# Altium PCB Power Distribution Board.PcbDoc (continued)
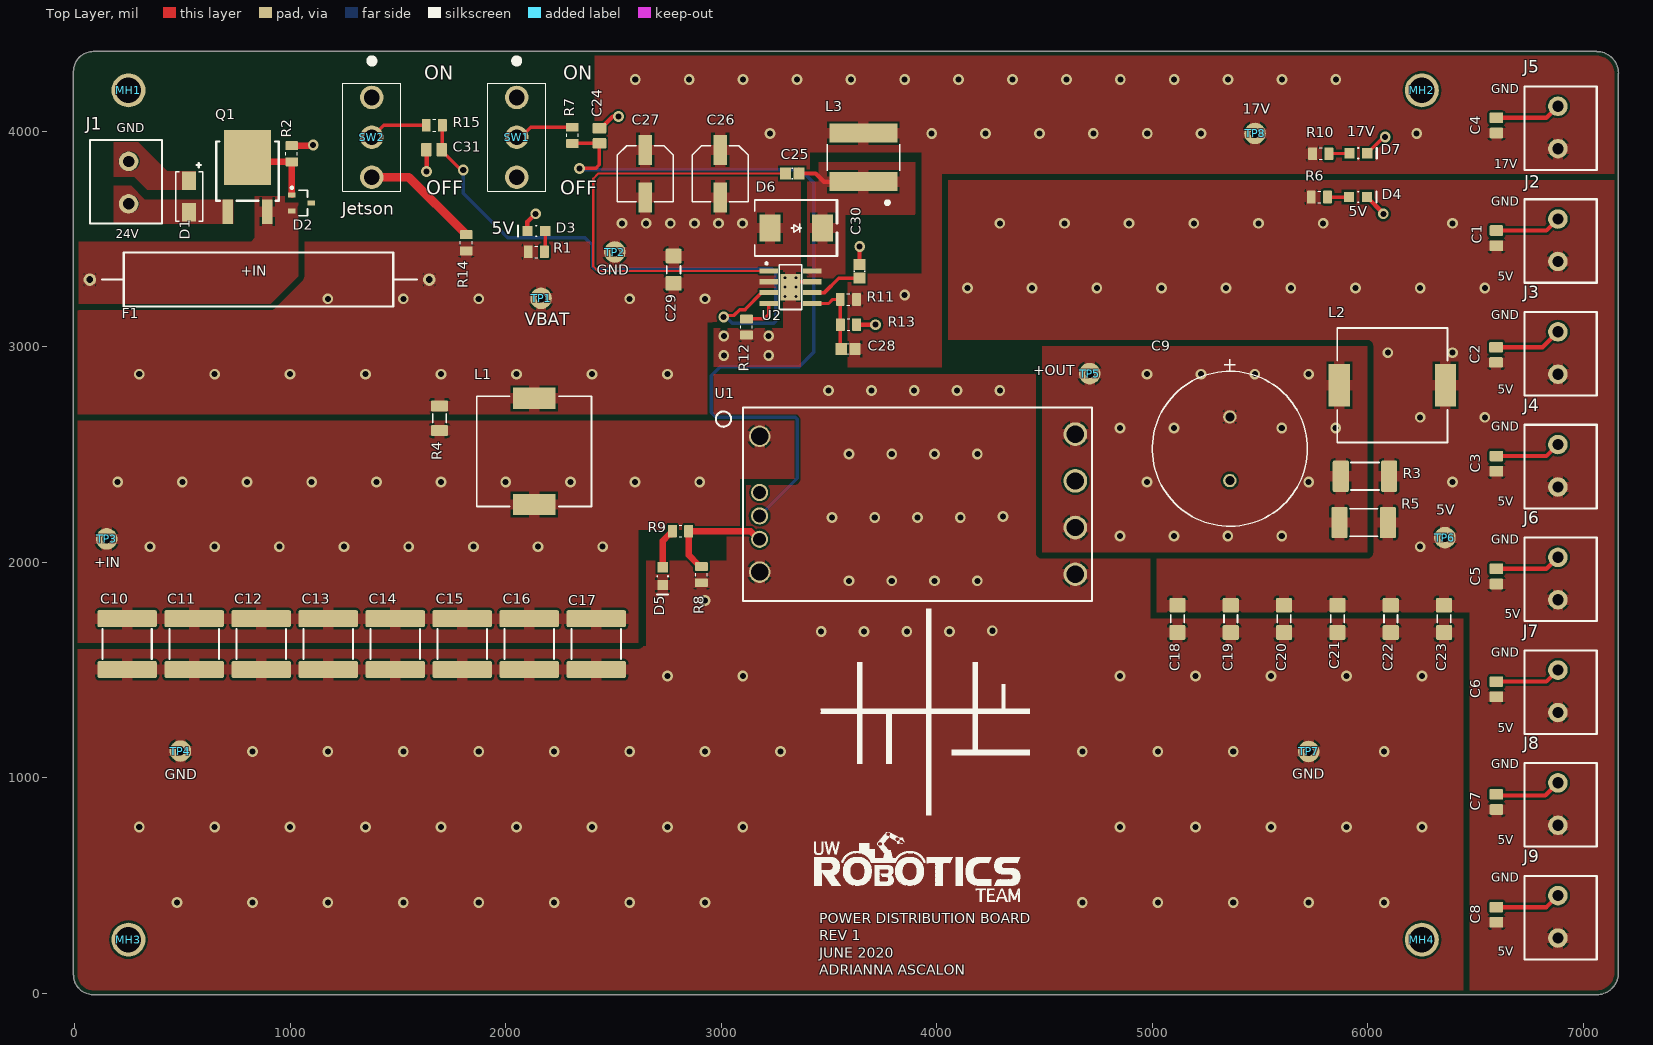
[diagram p0: Top Layer view]
## Footprints (in the part's own frame and the unit in brackets; to place one, negate y for a bottom-side part, rotate by r counter-clockwise, add the part's x,y. Pads: shape width x height; smd on the part's side, far side on the other; paste and mask are expansions set on the pad)
8-PowerSOIC [mm] "Texas Instruments 8-SO PowerPad"
  rrect15% 2.2x0.6 smd: 1(-2.565,1.905) 2(-2.565,0.635) 3(-2.565,-0.635) 4(-2.565,-1.905) 5(2.565,-1.905) 6(2.565,-0.635) 7(2.565,0.635) 8(2.565,1.905)
  rect 2.4x3.1 smd: 9(0,0)
  silkscreen extent -2.95,-2.63 1.32,2.92, body extent -3,-2.45 3,2.45, height 1.75
25SVPF47M [mm] "Aluminum Electrolytic Capacitor, Body 6.60x6.60x6.10mm, IPC Low Density"
  rect 3.5x1.6 smd: 1(-2.8,0) 2(2.8,0)
  silkscreen extent -3.3,-3.3 3.3,3.3, body extent -3.65,-3.3 3.65,3.3, height 5.9
100SP1T1B4M2QE [mm]
  round 2.775 hole 1.85: 1(-4.7,0) 2(0,0) 3(4.7,0)
  silkscreen extent -9.3,-3.43 6.35,3.43, body extent -6.35,-3.43 6.35,3.43, height 29.63
1935161 [mm]
  round 2.3 hole 1.325: 1(-2.5,0) 2(2.5,0)
  silkscreen extent -5.01,-4.57 4.83,3.94, body extent -5.01,-5.06 5.39,3.94, height 11.41
"CAP 0805_2012" [mm] "Chip Capacitor, 2-Leads, Body 2.00x1.20mm, IPC Medium Density"
  rect 1.3x1.4 smd: 1(-0.8,0) 2(0.8,0)
  silkscreen extent -0.05,-0.63 0.05,0.63, body extent -1,-0.64 1,0.64, height 1.26
CAP_UBY_18X25_NC [mil]
  round 62 hole 42 mask+0: 1(0,0) 2(295.28,0)
  silkscreen extent -267,-359 507,360, body extent -207,-354 502,354, height 1044
CAPC1206(3216) [mm] "Chip Capacitor, Body 3.2x1.6mm, Height 0.55mm, IPC Medium Density"
  rrect20% 1.75x1.9 smd: 1(-1.6,0) 2(1.6,0)
  silkscreen extent -0.45,-0.8 0.45,0.8, body extent -1.7,-0.9 1.7,0.9, height 0.88
CAPC2012X140N [mm]
  rrect20% 1.25x1.6 smd: 1(-0.895,0) 2(0.895,0)
  body extent -1.1,-0.7 1.1,0.75, height 1.41
CAPC5750X7R2A [mm]
  rrect20% 2x7 smd: 1(-3,0) 2(3,0)
  silkscreen extent -1.75,-2.9 1.75,2.91, body extent -2.91,-2.7 3.19,12.19, height 5.32
D-PAK [mm] "TO-252AA"
  rect 5.55x6.5 smd: 1(0,3.2)
  rect 1.25x2.85 smd: 2(-2.325,-3.2) 3(2.325,-3.2)
  silkscreen extent -3.68,-1.91 3.68,5.08, body extent -3.27,-4.08 3.27,5.8, height 2.64
DCM3623T50T0680 [mm] "DC to DC Converter"
  round 2.53 hole 2.03: A(-18.6,8) E(-18.6,-8)
  round 2.79 hole 2.03: A'(18.6,8.25) B'(18.6,2.75) C'(18.6,-2.75) D'(18.6,-8.25)
  round 2.02 hole 1.52: B(-18.6,1.38) C(-18.6,-1.38) D(-18.6,-4.13)
  silkscreen extent -23.75,-11.4 20.57,11.4, body extent -19.54,-11.4 19.18,11.4, height 6.41
"DO214AB SMC" [mm] "Molded Diode, 2-Leads, Body 6.85x5.90mm, IPC Medium Density"
  rect 2.45x3.15 smd: 1(-3.1,0) 2(3.1,0)
  silkscreen extent -4.9,-3.3 4.9,3.3, body extent -3.97,-2.95 3.97,2.95, height 2.6
DO-214AC_UNI [mm]
  rect 2.18x1.63 smd: 1(-1.857,0) 2(1.857,0)
  silkscreen extent -3.94,-1.59 2.92,1.59, body extent -2.6,-1.3 2.6,1.3, height 2.38
FUSE [mm] "FUSE HOLDER RADIAL 250V 6.3A PCB"
  round 1.48 / inner round 1.524 / far side round 1.2 hole 0.81: 1(-20,0) 2(20,0)
  silkscreen extent -18.54,-3.17 18.54,3.17, body extent -16,-3.17 15.76,3.17, height 3.96
IND_BOURNS_SRN80 [mil]
  rect 87x315 smd paste+0 mask+0: 1(-112.5,0) 2(112.5,0)
  silkscreen extent -218,-168 62,168, body extent -160,-156 160,156, height 156
LED_0805_LINE [mm] "SMD, 2-Leads, Body 2x1.25mm"
  rect 1.2x1.2 smd: 1(-1.05,0) 2(1.05,0)
  silkscreen extent -0.05,-0.63 2.16,0.64, body extent -1,-0.63 1,0.63, height 0.8
MOUNTING_HOLE [mm]
  round 4 hole 3 unplated: 0(0,0)
RESC1206(3216)_N [mm] "Chip Resistor, Body 3.2x1.6mm, IPC Medium Density"
  rrect20% 1.3x2 smd: 1(-1.45,0) 2(1.45,0)
  silkscreen extent -0.5,-0.8 0.5,0.8, body extent -1.6,-0.8 1.6,0.8, height 0.6
RESC2012X60N [mm]
  rrect20% 1.05x1.5 smd: 1(-0.955,0) 2(0.955,0)
  silkscreen extent -0.17,-0.68 0.17,0.68, body extent -1,-0.62 1,0.62, height 0.6
RESC6432X89X76NL25T25 [mm] "Chip Resistor, 2-Leads, Body 6.6x3.43mm, IPC Medium Density"
  rrect20% 1.9x3.7 smd: 1(-2.85,0) 2(2.85,0)
  silkscreen extent -1.65,-1.63 1.65,1.63, body extent -3.3,-1.72 3.3,1.72, height 0.89
SOT23-3 [mm] "SOT23, 3-Leads, Body 2.90x2.30mm, Pitch 0.95mm, IPC Medium Density"
  rect 0.9x0.6 smd: 1(-1.15,0.95) 2(-1.15,-0.95) 3(1.15,0)
  silkscreen extent -1.27,-1.5 0.7,1.92, body extent -1.3,-1.5 1.3,1.5, height 1.1
TESTPOINT_LOOP [mm]
  round 2.54 hole 1.02: 1(0,0)
  body extent -1.27,-1.27 1.27,1.27, height 4.57
"WE-HCM 1390" [mm] "SMD Inductor, 2-Leads, Body 12,50x13,00mm"
  rect 2.5x5 smd: 1(-6.25,0) 2(6.25,0)
  silkscreen extent -6.5,-6.75 6.5,6.75, body extent -7,-6.5 7,6.5, height 8.95

## Part data
C1 C2 C3 C4 C5 C6 C7 C8 C24 C31: library part CAP_0.1uF_50V_0805, "CAP CER 0.1UF 50V X7R 0805", Case Code (Imperial)=0805, Case Code (Metric)=2012, Dielectric=X7R, Manufacturer 1="Murata Electronics", Manufacturer Part Number 1=GCD21BR71H104KA01L, Max Operating Temperature=125°C, Min Operating Temperature=-55°C, Package="0805 (2012 Metric)", Ratings=AEC-Q200, Supplier Part Number 1=490-11955-1-ND, Tolerance=10%, Voltage Rating=50V, Depth=1.25mm, Height=1.25mm, Length=2mm, Mount="Surface Mount", Supplier 1=Digi-Key, Termination=SMD/SMT, Thickness=0.049inch, Width=0.049inch
C9: "CAP ALUM 10000UF 20% 10V RADIAL", Capacitance=10000uF, Case/Package=Radial, Manufacturer 1=Nichicon, Max Operating Temperature=85°C, Min Operating Temperature=-40°C, Ripple Current=2.35A, Supplier Part Number 1=493-12364-1-ND, Tolerance=20%, Voltage Rating=10V, Height - Seated (Max)=1.043inch, Lead Pitch=0.295inch, Life (Hours)=2000Hour, Manufacturer Part Number 1=URS1A103MHD1TN, Mount="Through Hole", Supplier 1=Digi-Key
C10 C11 C12 C13 C14 C15 C16 C17: library part CAP_4.7uF_100V_2220, "CAP CER 4.7UF 100V X7R 2220", Capacitor Value=4.7µF, Case Code (Imperial)=2220, Case Code (Metric)=5750, Dielectric=X7R, Manufacturer=TDK, Manufacturer Part Number=C5750X7R2A475M230KA, Max Operating Temperature=125°C, Min Operating Temperature=-55°C, Package="2220 (5750 Metric)", Supplier Part Number 1=445-1450-1-ND, Tolerance=20%, Voltage=100V, Category="Ceramic Capacitors", Composition=Ceramic, Depth=5mm, Height=2.3mm, Length=5.7mm, Mount="Surface Mount", Number of Pins=2, REACH SVHC="No SVHC", Supplier 1=Digi-Key, Termination=SMD/SMT, Thickness=0.098inch, Voltage Rating=100V, Voltage Rating (DC)=100V, Weight=0.016932oz, Width=0.197inch
C18 C19: library part CAP_10uF_50V_1206, "CAP CER 10UF 50V X5R 1206", Case Code (Imperial)=1206, Case Code (Metric)=3216, Dielectric=X5R, Manufacturer 1=Murata, Manufacturer Part Number 1=GRT31CR61H106KE01L, Package="1206 (3216 Metric)", Supplier Part Number 1=490-12456-1-ND, Voltage Rating=50V, Dimensions="0.126\" L x 0.063\" W (3.20mm x 1.6mm)", Manufacturer Part Numer 1=GRT31CR61H106KE01L, Mount="Surface Mount", Supplier 1=Digi-Key
C20 C21 C22 C23: library part CAP_4.7µF_50V_1206, "CAP CER 4.7UF 50V X7R 1206", Capacitance=4.7uF, Case Code (Imperial)=1206, Case Code (Metric)=3216, Dielectric=X7R, Manufacturer 1=Murata, Manufacturer Part Number 1=GRM31CR71H475KA12L, Max Operating Temperature=125°C, Min Operating Temperature=-55°C, Package="1206 (3216 Metric)", Supplier Part Number 1=490-6521-1-ND, Tolerance=10%, Voltage=50V, ComponentLink7Description=https://datasheet.ciiva.com/6270/partnumbering-e-01-6270217.pdf?src-supplier=Digi-Key, ComponentLink7URL=https://datasheet.ciiva.com/6270/partnumbering-e-01-6270217.pdf?src-supplier=Digi-Key, ComponentLink8Description=https://datasheet.ciiva.com/6270/partnumbering-e-01-6270218.pdf?src-supplier=Digi-Key, ComponentLink8URL=https://datasheet.ciiva.com/6270/partnumbering-e-01-6270218.pdf?src-supplier=Digi-Key, Depth=1.6mm, Height=1.6mm, Length=3.2mm, Material=Ceramic, Mount="Surface Mount", REACH SVHC="No SVHC", Supplier 1=Digi-Key, Termination=SMD/SMT, Thickness=0.071inch, Voltage Rating=50V, Voltage Rating (DC)=50V, Width=0.063inch
C25: "CAP CER 0.22UF 50V X7R 0805", Capacitance=0.22µF, Case Code (Imperial)=0805, Case Code (Metric)=2012, Dielectric=X7R, Manufacturer 1=Murata, Max Operating Temperature=125°C, Min Operating Temperature=-55°C, Package="0805 (2012 Metric)", Supplier Part Number 1=490-1671-1-ND, Tolerance=20%, Voltage Rating=50V, Case/Package=0805, Depth=1.25mm, Height=1.25mm, Length=2mm, Manufacturer Part Number 1=GRM21BR71H224MA01L, Mount="Surface Mount", Supplier 1=Digi-Key, Termination=SMD/SMT, Thickness=0.053inch, Voltage Rating (DC)=50V, Width=0.049inch
C26 C27: library part 25SVPF47M, "CAP ALUM POLY 47UF 20% 25V SMD", Breakdown Voltage=24.4V, Capacitance=47µF, Case/Package=Radial, Clamping Voltage=35.5V, Current=113A, ESR (Equivalent Series Resistance)=30mR, Leakage Current=235uA, Manufacturer 1=Panasonic, Max Breakdown Voltage=26.9V, Max Forward Surge Current (Ifsm)=40A, Max Operating Temperature=105°C, Max Power Dissipation=400W, Max Reverse Leakage Current=1uA, Max Surge Current=11.3A, Min Operating Temperature=-55°C, Operating Supply Voltage=22V, Ripple Current=2.8A, Supplier Part Number 1=P16513CT-ND, Test Current=1mA, Tolerance=20%, Voltage=25V, Working Voltage=3.5V, Diameter=6.3mm, Direction=Unidirectional, Dissipation Factor=12%, Element Configuration=Single, Height=5.9mm, Height - Seated (Max)=0.236inch, Length=5.9mm, Life (Hours)=5000Hour, Manufacturer Part Number 1=25SVPF47M, Min Breakdown Voltage=24.4V, Mount="Surface Mount", Number of Channels=1, Number of Elements=1, Number of Pins=6, Peak Pulse Current=11.3A, Peak Pulse Power=400W, Polarity=Polar, Power Dissipation=400W, REACH SVHC="No SVHC", Reverse Breakdown Voltage=24.4V, Reverse Standoff Voltage=22V, Ripple Current (AC)=2.8A, Supplier 1=Digi-Key, Termination=SMD/SMT, Voltage Rating=25V, Voltage Rating (DC)=25V, Width=0.11inch
C28: library part CAP_470pF_50V_0805, "CAP CER 470PF 50V X7R 0805", Case Code (Imperial)=0805, Case Code (Metric)=2012, Dielectric=X7R, Manufacturer 1="Kyocera AVX", Manufacturer Part Number 1=08055C471JAT2A, Max Operating Temperature=125°C, Min Operating Temperature=-55°C, Package="0805 (2012 Metric)", Supplier Part Number 1=478-7958-1-ND, Tolerance=5%, Voltage Rating=50V, Capacitance=470pF, ComponentLink7Description=https://datasheet.ciiva.com/14906/cx7r-14906253.pdf?src-supplier=Digi-Key, ComponentLink7URL=https://datasheet.ciiva.com/14906/cx7r-14906253.pdf?src-supplier=Digi-Key, Contact Plating=Tin,Matte, Depth=1.25mm, Dissipation Factor=2.5%, Height=0.94mm, Length=2.01mm, Mount="Surface Mount", Number of Pins=2, REACH SVHC=Unknown, Supplier 1=Digi-Key, Termination=SMD/SMT, Thickness=0.037inch, Voltage Rating (DC)=50V, Width=0.049inch
C29: "CAP CER 4.7UF 50V X7R 1206", Capacitance=4.7µF, Case Code (Imperial)=1206, Case Code (Metric)=3216, Dielectric=X7R, Manufacturer 1=Murata, Max Operating Temperature=125°C, Min Operating Temperature=-55°C, Package="1206 (3216 Metric)", Supplier Part Number 1=490-6521-1-ND, Tolerance=10%, Voltage=50V, Case/Package=1206, ComponentLink7Description=https://datasheet.ciiva.com/6270/partnumbering-e-01-6270218.pdf?src-supplier=Digi-Key, ComponentLink7URL=https://datasheet.ciiva.com/6270/partnumbering-e-01-6270218.pdf?src-supplier=Digi-Key, ComponentLink8Description=https://datasheet.ciiva.com/6270/partnumbering-e-01-6270219.pdf?src-supplier=Digi-Key, ComponentLink8URL=https://datasheet.ciiva.com/6270/partnumbering-e-01-6270219.pdf?src-supplier=Digi-Key, Depth=1.6mm, Height=1.6mm, Length=3.2mm, Manufacturer Part Number 1=GRM31CR71H475KA12L, Material=Ceramic, Mount="Surface Mount", REACH SVHC="No SVHC", Supplier 1=Digi-Key, Termination=SMD/SMT, Thickness=0.071inch, Voltage Rating=50V, Voltage Rating (DC)=50V, Width=0.063inch
C30: library part CAP_8200pF_50V_0805, "CAP CER 8200PF 50V X7R 0805", Capacitance=8.2nF, Case Code (Imperial)=0805, Case Code (Metric)=2012, Dielectric=X7R, Max Operating Temperature=125°C, Min Operating Temperature=-55°C, Package="0805 (2012 Metric)", Ratings=AEC-Q200, Supplier Part Number 1=478-9924-6-ND, Tolerance=10%, Voltage Rating=50V, Depth=1.25mm, Length=0.079inch, Mount="Surface Mount", Number of Pins=2, Supplier 1=Digi-Key, Termination=SMD/SMT, Thickness=0.037inch, Voltage Rating (DC)=50V, Width=0.049inch
D1: "TVS DIODE 22V 35.5VC SMA", Breakdown Voltage=24.4V, Case/Package=SMA, Clamping Voltage=35.5V, Current=113A, Leakage Current=1uA, Manufacturer 1="Vishay Semiconductors", Max Breakdown Voltage=26.9V, Max Forward Surge Current (Ifsm)=40A, Max Operating Temperature=150°C, Max Power Dissipation=400W, Max Surge Current=11.3A, Min Operating Temperature=-55°C, Operating Supply Voltage=22V, Supplier Part Number 1=SMAJ22A-E3/61GICT-ND, Test Current=1mA, Working Voltage=3.5V, Direction=Unidirectional, Element Configuration=Single, Height=0.09inch, Length=0.177inch, Manufacturer Part Number 1=SMAJ22A-E3/61, Max Reverse Leakage Current=1uA, Min Breakdown Voltage=24.4V, Number of Channels=1, Number of Elements=1, Number of Pins=2, Peak Pulse Current=11.3A, Peak Pulse Power=400W, Polarity=Unidirectional, Power Dissipation=400W, REACH SVHC=Unknown, Reverse Breakdown Voltage=24.4V, Reverse Standoff Voltage=22V, Supplier 1=Digi-Key, Termination=SMD/SMT, Voltage=22V, Voltage Rating (DC)=22V, Width=0.11inch
D2: "DIODE ZENER 27V 250MW SOT23", Forward Voltage=0.9V, Manufacturer 1="Nexperia USA Inc.", Manufacturer Part Number 1=BZX84-C27,215, Package/Case=SOT-23-3, Supplier Part Number 1=1727-5026-2-ND, Tolerance=5%, Working Voltage=27V, Mount="Surface Mount", Supplier 1=Digi-Key
D3 D4 D7: library part DIO_LED_G, "LED GREEN DIFFUSED 0805 SMD", Forward Voltage Drop=2.2V, Manufacturer 1=OSRAM, Package="0805 (2012 Metric)", Supplier Part Number 1=475-1410-1-ND, Manufacturer Part Number 1="LG R971-KN-1", Mount="Surface Mount", Supplier 1=Digi-Key
D5: library part DIO_LED_R, "LED RED DIFFUSED 0805 SMD", Forward Voltage Drop=2V, Manufacturer 1=OSRAM, Package="0805 (2012 Metric)", Supplier Part Number 1=475-1278-1-ND, Manufacturer Part Number 1="LS R976-NR-1", Mount="Surface Mount", Supplier 1=Digi-Key
D6: "DIODE SCHOTTKY 40V 5A SMC", Average Rectified Current=5A, Capacitance=300pF, Case/Package=SMC, Forward Voltage=550mV, Manufacturer 1=Diodes, Max Forward Surge Current (Ifsm)=100A, Max Operating Temperature=125°C, Max Repetitive Reverse Voltage (Vrrm)=40V, Min Operating Temperature=-55°C, Peak Reverse Current=500uA, Supplier Part Number 1=B540C-FDIDKR-ND, ComponentLink7Description=https://datasheet.ciiva.com/8303/ds13012-8303112.pdf?src-supplier=Avnet, ComponentLink7URL=https://datasheet.ciiva.com/8303/ds13012-8303112.pdf?src-supplier=Avnet, ComponentLink8Description=https://datasheet.ciiva.com/25919/ds13012-25919706.pdf?src-supplier=Avnet+Europe, ComponentLink8URL=https://datasheet.ciiva.com/25919/ds13012-25919706.pdf?src-supplier=Avnet+Europe, ComponentLink9Description=https://datasheet.ciiva.com/16200/ds13012-16200443.pdf?src-supplier=Future+Electronics, ComponentLink9URL=https://datasheet.ciiva.com/16200/ds13012-16200443.pdf?src-supplier=Future+Electronics, Contact Plating=Tin,Matte, Current=5A, Current Rating=5A, Element Configuration=Single, Forward Current=5A, Height=2.5mm, Length=7.11mm, Manufacturer Part Number 1=B540C-13-F, Max Reverse Voltage (DC)=40V, Mount="Surface Mount", Number of Pins=2, Output Current=5A, Peak Non-Repetitive Surge Current=100A, Polarity=Standard, REACH SVHC="No SVHC", Supplier 1=Digi-Key, Termination=SMD/SMT, Voltage=40V, Voltage Rating (DC)=40V, Weight=0.007408oz, Width=6.22mm
F1: "FUSE CERM 15A 250VAC 125VDC 3AB", Case/Package=Axial, Current Rating=15A, DC Cold Resistance=5.05mR, Manufacturer 1=Littelfuse, Max Operating Temperature=125°C, Min Operating Temperature=-55°C, Supplier Part Number 1=F1870-ND, Voltage Rating (AC)=250V, Voltage Rating (DC)=125V, Approvals=UL,CSA,CE,K-Mark, Diameter=6.985mm, Fuse Current=15A, Fuse Type="Cartridge, Ceramic", Housing Material=Ceramic, Length=1.288inch, Manufacturer Part Number 1=0324015.HXP, Mount="Through Hole", REACH SVHC=Unknown, Resistance=5.05mR, Supplier 1=Digi-Key, Termination=Axial, Working Voltage=250V
J1 J2 J3 J4 J5 J6 J7 J8 J9: library part CON_2M_TERM, "TERM BLK 2POS SIDE ENTRY 5MM", Color=Green, Current=18A, Current Rating=17.5A, Flammability Rating="UL94 V-0", Manufacturer 1="Phoenix Contact", Max Current Rating=16A, Max Supply Voltage=250V, Supplier Part Number 1=277-1667-ND, Voltage=300V, Voltage Rating (DC)=320V, Approvals=UL, Connector Type=Screw, Contact Material=Copper,Tin, Depth=9mm, Height=11.3mm, Housing Color=Green, Housing Material=Polyamide, Insulation Material=Nylon, Length=9mm, Manufacturer Part Number 1=1935161, Material=Nylon, Mount="Through Hole", Number of Circuits=2, Number of Contacts=2, Number of Levels=1, Number of Pins=2, Number of Poles=2, Number of Positions=2, Number of Positions Per Level=2, Number of Rows=1, Orientation=Straight, Pitch=5mm, REACH SVHC=Unknown, Supplier 1=Digi-Key, Termination=Solder, Voltage Rating=250V, Weight=0.067021oz, Width=14.9mm, Wire Gauge (Max)=26AWG, Wire Gauge (Min)=12AWG, Wire/Cable Gauge=26AWG
L1 L2: "IND 330NH 47.5A 0.165 MOHM", Case/Package=Nonstandard, Current Rating=47.5A, DC Resistance (DCR)=0.165mR, Inductance=330nH, Inductance Tolerance=20%, Manufacturer 1="Wurth Electronics", Max DC Current=50A, Max Operating Temperature=125°C, Min Operating Temperature=-40°C, Saturation Current=62.5A, Self Resonant Frequency=158MHz, Test Frequency=100kHz, Composition=Wirewound, Core Material=Zinc, Height=9mm, Height - Seated (Max)=0.374inch, Length=0.551inch, Manufacturer Part Number 1=744309033, Mount="Surface Mount", REACH SVHC=Unknown, RMS Current (Irms)=50A, Shielding=Shielded, Supplier 1=Newark, Termination=SMD/SMT, Tolerance=20%, Width=0.512inch
L3: "FIXED IND 2.2UH 6.3A 13 MOHM SMD", Case/Package=Nonstandard, Current Rating=6.3A, DC Resistance (DCR)=13mR, Inductance=2.2uH, Inductance Tolerance=30%, Manufacturer 1=Bourns, Max Operating Temperature=125°C, Min Operating Temperature=-40°C, Saturation Current=7.4A, Self Resonant Frequency=40MHz, Supplier Part Number 1=SRN8040-2R2YCT-ND, Test Frequency=100kHz, ComponentLink7Description=https://datasheet.ciiva.com/1049/srn8040-1049455.pdf?src-supplier=Digi-Key, ComponentLink7URL=https://datasheet.ciiva.com/1049/srn8040-1049455.pdf?src-supplier=Digi-Key, ComponentLink8Description=https://datasheet.ciiva.com/17284/srn8040-17284783.pdf?src-supplier=Avnet+Europe, ComponentLink8URL=https://datasheet.ciiva.com/17284/srn8040-17284783.pdf?src-supplier=Avnet+Europe, ComponentLink9Description=https://datasheet.ciiva.com/48691/001056460-da-01-en-mag-abg-leist-ind-srn8040-2r2y-2-2uh-smd-48691836.pdf?src-supplier=Conrad, ComponentLink9URL=https://datasheet.ciiva.com/48691/001056460-da-01-en-mag-abg-leist-ind-srn8040-2r2y-2-2uh-smd-48691836.pdf?src-supplier=Conrad, Composition=Wirewound, Contact Plating=Tin, Core Material=Ferrite, DC Current=6.3A, Depth=8.3mm, Height=4mm, Height - Seated (Max)=0.157inch, Length=8mm, Manufacturer Part Number 1=SRN8040-2R2Y, Material=Steel, Max DC Current=6.3A, Military Standard=Not, Mount="Surface Mount", Number of Pins=2, REACH SVHC="No SVHC", RMS Current (Irms)=6.3A, Shielding=Shielded, Supplier 1=Digi-Key, Termination=SMD/SMT, Tolerance=30%, Weight=0.028607oz, Width=8mm
Q1: "MOSFET P-CH 35V 13A DPAK", Case/Package=TO-252, Continuous Drain Current (ID)=55A, Drain to Source Breakdown Voltage=-35V, Drain to Source Resistance=11.6mR, Drain to Source Voltage (Vdss)=35V, Gate to Source Voltage (Vgs)=25V, Input Capacitance=2.37nF, Manufacturer 1="ON Semiconductor / Fairchild", Max Operating Temperature=150°C, Max Power Dissipation=57W, Min Operating Temperature=-55°C, On-State Resistance=11.6MR, Power Dissipation=3.1W, Supplier Part Number 1=FDD6637CT-ND, Threshold Voltage=-1.6V, ComponentLink7Description=https://datasheet.ciiva.com/28548/686553-28548172.pdf?src-supplier=Element14, ComponentLink7URL=https://datasheet.ciiva.com/28548/686553-28548172.pdf?src-supplier=Element14, ComponentLink8Description=https://datasheet.ciiva.com/6382/fdd6637-6382456.pdf?src-supplier=Digi-Key, ComponentLink8URL=https://datasheet.ciiva.com/6382/fdd6637-6382456.pdf?src-supplier=Digi-Key, ComponentLink9Description=https://datasheet.ciiva.com/6382/fdd6637-6382457.pdf?src-supplier=Digi-Key, ComponentLink9URL=https://datasheet.ciiva.com/6382/fdd6637-6382457.pdf?src-supplier=Digi-Key, Element Configuration=Single, Fall Time=36ns, Height=2.39mm, Length=6.73mm, Manufacturer Part Number 1=FDD6637, Mount="Surface Mount", Nominal Vgs=-1.6V, Number of Elements=1, Number of Pins=3, Rds On Max=11.6mR, REACH SVHC="No SVHC", Rise Time=10ns, Supplier 1=Digi-Key, Turn-Off Delay Time=62ns, Turn-On Delay Time=18ns, Weight=0.26037g, Width=6.22mm
R1: library part RES_4.7kO_0805, "RES SMD 4.7K OHM 5% 1/8W 0805", Case Code (Imperial)=0805, Case Code (Metric)=2012, Manufacturer 1=Yageo, Manufacturer Part Number 1=RC0805JR-074K7L, Max Operating Temperature=155°C, Min Operating Temperature=-55°C, Package="0805 (2012 Metric)", Power Rating=125mW, Resistance=4.7kR, Supplier Part Number 1=311-4.7KARCT-ND, Temperature Coefficient=100ppm/°C, Tolerance=5%, Voltage Rating=150V, Composition="Thick Film", Contact Plating=Tin,Lead,Matte, Depth=1.25mm, Length=2mm, Military Standard=Not, Mount="Surface Mount", REACH SVHC=Unknown, Supplier 1=Digi-Key, Termination=SMD/SMT
R2 R6 R9 R14: library part RES_1kO_0805, "RES SMD 1K OHM 1% 1/8W 0805", Case Code (Imperial)=0805, Case Code (Metric)=2012, Manufacturer 1=Yageo, Manufacturer Part Number 1=RC0805FR-071KL, Max Operating Temperature=155°C, Max Power Dissipation=125mW, Min Operating Temperature=-55°C, Package="0805 (2012 Metric)", Resistance=1K, Supplier Part Number 1=311-1.00KCRCT-ND, Temperature Coefficient=25ppm/°C, Tolerance=1%, Voltage Rating=150V, Case/Package=0805, Composition="Thin Film", Contact Plating=Tin, Depth=1.25mm, Features="Moisture Resistant,Automotive AEC-Q200,Anti-Sulfur", Height=0.022inch, Length=2mm, Military Standard=Not, Mount="Surface Mount", Number of Pins=2, Number of Terminations=2, Power Rating=125mW, REACH SVHC=Unknown, Supplier 1=Digi-Key, Termination=SMD/SMT, Voltage Rating (DC)=150V, Weight=0.000194oz, Width=0.049inch
R3 R5: library part RES_250mO_2512, "RES 0.25 OHM 1% 1W 2512", Case Code (Imperial)=2512, Case Code (Metric)=6432, Manufacturer=Vishay, Package="2512 (6432 Metric)", Package Description="2-Pin Surface Mount Device, Body 6.35 x 3.18 mm", Power Rating=1W, Resistance=250mO, Resistance Tolerance=1%, Resistor Case Style=2512[6432Metric], Resistor Element Type=MetalStrip, Temperature Coefficient=±75ppm/°C, Automotive Qualification Standard=AEC-Q200, Datasheet URL=http://www.vishay.com/docs/30100/wsl.pdf, Datasheet Version=07/2016, Manufacturer URL=http://www.vishay.com/, Mounting Technology=SurfaceMount, MSL=MSL1-Unlimited, Package Reference=2512, Product Range=WSLSeries, SVHC=NoSVHC(15-Jun-2015)
R4: library part RES_1O_1206, "RES 1 OHM 5% 1/4W 1206", Case Code (Imperial)=1206, Case Code (Metric)=3216, Manufacturer="KOA Speer", Manufacturer Part Number=RK73B2BTTE1R0J, Max Operating Temperature=155°C, Min Operating Temperature=-55°C, Package="1206 (3216 Metric)", Power Rating=250mW, Resistance=1O, Supplier Part Number 1=2019-RK73B2BTTE1R0JCT-ND, Temperature Coefficient=200ppm/°C, Tolerance=5%, Voltage Rating=200V, Category="Chip SMD Resistors", Composition="Thick Film", Height=0.6mm, Length=3.2mm, Supplier 1=Digi-Key, Termination=SMD/SMT, Width=1.6mm
R7 R15: library part RES_100kO_0805, "RES SMD 100K OHM 0.5% 1/8W 0805", Case Code (Imperial)=0805, Case Code (Metric)=2012, Manufacturer 1=Panasonic, Manufacturer Part Number 1=ERA-6AED104V, Max Operating Temperature=155°C, Min Operating Temperature=-55°C, Package="0805 (2012 Metric)", Power Rating=125mW, Resistance=100kO, Supplier Part Number 1=P123795CT-ND, Temperature Coefficient=25ppm/°C, Tolerance=0.5%, Voltage Rating=200V, Category="Chip SMD Resistors", Composition="Thin Film", Contact Plating=Tin, Depth=1.25mm, Height=0.5mm, Length=2mm, Military Standard=Not, Mount="Surface Mount", Supplier 1=Digi-Key, Termination=SMD/SMT, Width=1.25mm
R8: library part RES_49.9kO_0805, "RES SMD 49.9K OHM 1% 1/8W 0805", Case Code (Imperial)=0805, Case Code (Metric)=2012, Manufacturer 1="Vishay Dale", Manufacturer Part Number 1=TNPW080549K9BEEN, Max Operating Temperature=125°C, Max Power Dissipation=125mW, Min Operating Temperature=-55°C, Package="0805 (2012 Metric)", Resistance=49.9kR, Supplier Part Number 1=541-3802-1-ND, Temperature Coefficient=25ppm/°C, Tolerance=1%, Voltage Rating=150V, Composition="Thin Film", Contact Plating=Tin, Depth=1.25mm, Features="Moisture Resistant,Automotive AEC-Q200,Anti-Sulfur", Height=0.022inch, Length=2mm, Military Standard=Not, Mount="Surface Mount", Number of Pins=2, Number of Terminations=2, Power Rating=125mW, REACH SVHC=Unknown, Supplier 1=Digi-Key, Termination=SMD/SMT, Voltage Rating (DC)=150V, Weight=0.000194oz, Width=0.049inch
R10: library part RES_3.3kO_0805, "RES SMD 3.3K OHM 1% 1/8W 0805", Case Code (Imperial)=0805, Case Code (Metric)=2012, Max Operating Temperature=155°C, Max Power Dissipation=125mW, Min Operating Temperature=-55°C, Package="0805 (2012 Metric)", Resistance=3.3kR, Supplier Part Number 1=541-3.30KHCT-ND, Temperature Coefficient=100ppm/°C, Tolerance=1%, Voltage Rating=150V, ComponentLink7Description=https://datasheet.ciiva.com/2467/dcrcwe3-2467823.pdf?src-supplier=Digi-Key, ComponentLink7URL=https://datasheet.ciiva.com/2467/dcrcwe3-2467823.pdf?src-supplier=Digi-Key, ComponentLink8Description=https://datasheet.ciiva.com/9080/dcrcwe3-9080591.pdf?src-supplier=Avnet, ComponentLink8URL=https://datasheet.ciiva.com/9080/dcrcwe3-9080591.pdf?src-supplier=Avnet, ComponentLink9Description=https://datasheet.ciiva.com/16430/dcrcwe3-16430277.pdf?src-supplier=Future+Electronics, ComponentLink9URL=https://datasheet.ciiva.com/16430/dcrcwe3-16430277.pdf?src-supplier=Future+Electronics, ComponentLink10Description=https://datasheet.ciiva.com/26312/fld-crcw-e3-data-en-26312934.pdf?src-supplier=Distrelec, ComponentLink10URL=https://datasheet.ciiva.com/26312/fld-crcw-e3-data-en-26312934.pdf?src-supplier=Distrelec, ComponentLink11Description=https://datasheet.ciiva.com/16778/70201119-16778680.pdf?src-supplier=Allied+Electronics, ComponentLink11URL=https://datasheet.ciiva.com/16778/70201119-16778680.pdf?src-supplier=Allied+Electronics, Composition="Thick Film", Contact Plating=Tin, Depth=1.25mm, Features="Automotive AEC-Q200", Height=0.45mm, Length=2mm, Military Standard=Not, Mount="Surface Mount", Number of Terminations=2, Power Rating=125mW, REACH SVHC=Unknown, Supplier 1=Digi-Key, Termination=SMD/SMT, Voltage Rating (DC)=150V, Weight=0.000194oz, Width=1.25mm
R11: library part RES_221kO_0805, "RES SMD 221K OHM 1% 1/8W 0805", Case Code (Imperial)=0805, Case Code (Metric)=2012, Manufacturer 1=Vishay, Manufacturer Part Number 1=CRCW0805221KFKEA, Max Operating Temperature=155°C, Max Power Dissipation=125mW, Min Operating Temperature=-55°C, Package="0805 (2012 Metric)", Resistance=221kR, Supplier Part Number 1=541-221KCCT-ND, Temperature Coefficient=100ppm/°C, Tolerance=1%, Voltage Rating=150V, ComponentLink7Description=https://datasheet.ciiva.com/2467/dcrcwe3-2467622.pdf?src-supplier=Digi-Key, ComponentLink7URL=https://datasheet.ciiva.com/2467/dcrcwe3-2467622.pdf?src-supplier=Digi-Key, ComponentLink8Description=https://datasheet.ciiva.com/3258/dcrcwe3-3258329.pdf?src-supplier=Avnet, ComponentLink8URL=https://datasheet.ciiva.com/3258/dcrcwe3-3258329.pdf?src-supplier=Avnet, ComponentLink9Description=https://datasheet.ciiva.com/7674/1533075-7674218.pdf?src-supplier=Element14, ComponentLink9URL=https://datasheet.ciiva.com/7674/1533075-7674218.pdf?src-supplier=Element14, ComponentLink10Description=https://datasheet.ciiva.com/22870/70201119-22870172.pdf?src-supplier=Allied+Electronics, ComponentLink10URL=https://datasheet.ciiva.com/22870/70201119-22870172.pdf?src-supplier=Allied+Electronics, Composition="Thick Film", Contact Plating=Tin, Depth=1.25mm, Features="Automotive AEC-Q200", Height=0.45mm, Length=2mm, Military Standard=Not, Mount="Surface Mount", Number of Pins=2, Number of Terminations=2, Power Rating=125mW, REACH SVHC=Unknown, Supplier 1=Digi-Key, Termination=SMD/SMT, Voltage Rating (DC)=150V, Weight=0.000194oz, Width=1.25mm
R12: library part RES_13.7kO_0805, "RES SMD 13.7K OHM 1% 1/8W 0805", Case Code (Imperial)=0805, Case Code (Metric)=2012, Manufacturer 1=Vishay, Manufacturer Part Number 1=CRCW080513K7FKEA, Max Operating Temperature=155°C, Max Power Dissipation=125mW, Min Operating Temperature=-55°C, Package="0805 (2012 Metric)", Resistance=13.7kR, Supplier Part Number 1=541-13.7KCCT-ND, Temperature Coefficient=100ppm/°C, Tolerance=1%, Voltage Rating=150V, ComponentLink7Description=https://datasheet.ciiva.com/22675/1847332-22675191.pdf?src-supplier=Element14, ComponentLink7URL=https://datasheet.ciiva.com/22675/1847332-22675191.pdf?src-supplier=Element14, ComponentLink8Description=https://datasheet.ciiva.com/7663/1697337-7663928.pdf?src-supplier=Element14, ComponentLink8URL=https://datasheet.ciiva.com/7663/1697337-7663928.pdf?src-supplier=Element14, ComponentLink9Description=https://datasheet.ciiva.com/3258/dcrcwe3-3258107.pdf?src-supplier=Avnet, ComponentLink9URL=https://datasheet.ciiva.com/3258/dcrcwe3-3258107.pdf?src-supplier=Avnet, ComponentLink10Description=https://datasheet.ciiva.com/16778/70201119-16778860.pdf?src-supplier=Allied+Electronics, ComponentLink10URL=https://datasheet.ciiva.com/16778/70201119-16778860.pdf?src-supplier=Allied+Electronics, ComponentLink11Description=https://datasheet.ciiva.com/17188/dcrcwe3-17188109.pdf?src-supplier=Avnet+Europe, ComponentLink11URL=https://datasheet.ciiva.com/17188/dcrcwe3-17188109.pdf?src-supplier=Avnet+Europe, Composition="Thick Film", Contact Plating=Tin, Depth=1.25mm, Features="Automotive AEC-Q200", Height=0.45mm, Length=2mm, Military Standard=Not, Number of Pins=2, Number of Terminations=2, Power Rating=125mW, REACH SVHC=Unknown, Supplier 1=Digi-Key, Termination=SMD/SMT, Voltage Rating (DC)=150V, Weight=0.000194oz, Width=0.049inch
R13: library part RES_10.2kO_0805, "RES SMD 10.2K OHM 1% 1/8W 0805", Case Code (Imperial)=0805, Case Code (Metric)=2012, Manufacturer 1=Vishay, Manufacturer Part Number 1=CRCW080510K2FKEA, Max Operating Temperature=155°C, Max Power Dissipation=125mW, Min Operating Temperature=-55°C, Package="0805 (2012 Metric)", Resistance=10.2kR, Supplier Part Number 1=541-10.2KCCT-ND, Temperature Coefficient=100ppm/°C, Tolerance=1%, Voltage Rating=150V, ComponentLink7Description=https://datasheet.ciiva.com/22702/1697337-22702902.pdf?src-supplier=Element14, ComponentLink7URL=https://datasheet.ciiva.com/22702/1697337-22702902.pdf?src-supplier=Element14, ComponentLink8Description=https://datasheet.ciiva.com/16204/dcrcwe3-16204135.pdf?src-supplier=Future+Electronics, ComponentLink8URL=https://datasheet.ciiva.com/16204/dcrcwe3-16204135.pdf?src-supplier=Future+Electronics, ComponentLink9Description=https://datasheet.ciiva.com/16852/dcrcwe3-16852825.pdf?src-supplier=Avnet+Europe, ComponentLink9URL=https://datasheet.ciiva.com/16852/dcrcwe3-16852825.pdf?src-supplier=Avnet+Europe, ComponentLink10Description=https://datasheet.ciiva.com/7663/1697337-7663915.pdf?src-supplier=Element14, ComponentLink10URL=https://datasheet.ciiva.com/7663/1697337-7663915.pdf?src-supplier=Element14, ComponentLink11Description=https://datasheet.ciiva.com/7663/1697337-7663916.pdf?src-supplier=Element14, ComponentLink11URL=https://datasheet.ciiva.com/7663/1697337-7663916.pdf?src-supplier=Element14, ComponentLink12Description=https://datasheet.ciiva.com/22674/1825492-22674606.pdf?src-supplier=Element14, ComponentLink12URL=https://datasheet.ciiva.com/22674/1825492-22674606.pdf?src-supplier=Element14, ComponentLink13Description=https://datasheet.ciiva.com/3258/dcrcwe3-3258031.pdf?src-supplier=Avnet, ComponentLink13URL=https://datasheet.ciiva.com/3258/dcrcwe3-3258031.pdf?src-supplier=Avnet, Composition="Thick Film", Contact Plating=Tin, Depth=1.25mm, Features="Automotive AEC-Q200", Height=0.45mm, Length=2mm, Military Standard=Not, Number of Pins=2, Number of Terminations=2, Power Rating=125mW, REACH SVHC=Unknown, Supplier 1=Digi-Key, Termination=SMD/SMT, Voltage Rating (DC)=150V, Weight=0.000194oz, Width=0.049inch, Working Voltage=150V
SW1 SW2: library part SW_SPDT, "SWITCH TOGGLE SPDT 5A 120V", Current Rating=5A, Manufacturer 1=E-Switch, Max Operating Temperature=85°C, Min Operating Temperature=-30°C, Supplier Part Number 1=EG2355-ND, Voltage Rating (AC)=120V, Voltage Rating (DC)=28V, Actuator Length=12.19mm, Actuator Material=Brass,Chrome, Actuator Type="Standard Round", Contact Material=Silver, Contact Plating=Silver, Electrical Life=40000Cycles, Illumination Type=Non-Illuminated,Illuminated, Manufacturer Part Number 1=100SP1T1B4M2QE, Mount="Through Hole", Orientation=Vertical, Supplier 1=Digi-Key, Switch Function=On-On, Termination="PC Pin", Throw Configuration=SPDT
TP1 TP2 TP3 TP4 TP5 TP6 TP7 TP8: "PC TEST POINT MINIATURE WHITE", Manufacturer 1="Keystone Electronics", Manufacturer Part Number 1=5002, Supplier Part Number 1=36-5002-ND, Mount="Through Hole", Supplier 1=Digi-Key
U1: "DC DC CONVERTER 5V 80W"
U2: "IC REG BUCK ADJUSTABLE 5A 8SOPWR", Case/Package=8-PowerSOIC, Manufacturer 1="Texas Instruments", Max Input Voltage=40V, Max Operating Temperature=125°C, Max Output Voltage=28V, Min Input Voltage=4V, Min Operating Temperature=-40°C, Min Output Voltage=800mV, Output Current=5A, Quiescent Current=40uA, Supplier Part Number 1=296-44322-1-ND, Switching Frequency=2.5MHz, Manufacturer Part Number 1=LMR14050SDDAR, Mount="Surface Mount", Number Of Outputs=1, Number of Pins=8, Output Configuration=Positive, Output Type=Adjustable, Supplier 1=Digi-Key, Synchronous Rectifier=No

## Via types
v1: diameter 50, hole 28, Top Layer to Bottom Layer, tented both sides, 94 vias
v2: diameter 50, hole 28, Top Layer to Bottom Layer, 87 vias
v3: diameter 24.8, hole 12.99, Top Layer to Bottom Layer, 6 vias

## Nets (pads, with @x,y where several pads share a name; then routed paths per layer and width w, separated by ;. In a path a pad name is that pad's centre, name@x,y a point inside that pad or via, vN(x,y) a via of type N, cw(c..) or ccw(c..) an arc to the next point about the centre after c; other vN are vias at no path point)
5V: C1.2 C2.2 C3.2 C5.2 C6.2 C7.2 C8.2 C18.2 C19.2 C20.2 C21.2 C22.2 C23.2 J2.1 J3.1 J4.1 J6.1 J7.1 J8.1 J9.1 L2.2 R3.2 R5.2 R6.2 TP6.1
  other v1: 6242,2073 6392,2373 6242,2673 6542,2673 6092,2973 6392,2973 4142,3273 4442,3273 4742,3273 5042,3273 5342,3273 5642,3273 5942,3273 6242,3273 6542,3273 4292,3573 4592,3573 4892,3573 5192,3573 5492,3573 5792,3573 6392,3573
17V: C4.2 C26.1 C27.1 C28.2 J5.1 L3.2 R10.2 R11.2 TP8.1
  other v1: 3851,3240 3226,3990 3976,3990 4226,3990 4476,3990 4726,3990 4976,3990 5226,3990 6226,3990 2601,4240 2851,4240 3101,4240 3351,4240 3601,4240 3851,4240 4101,4240 4351,4240 4601,4240 4851,4240 5101,4240 5351,4240 5601,4240 5851,4240
+IN: C10.2 C11.2 C12.2 C13.2 C14.2 C15.2 C16.2 C17.2 L1.2 R4.2 TP3.1 U1.A
  other v1: 350,2073 650,2073 950,2073 1250,2073 1550,2073 1850,2073 2150,2073 2450,2073 200,2373 500,2373 800,2373 1100,2373 1400,2373 1700,2373 2000,2373 2300,2373 2600,2373 2900,2373
+OUT: C9.1 L2.1 R3.1 R5.1 TP5.1 U1.A' U1.C'
  other v1: 4850,2123 5100,2123 5350,2123 5600,2123 4975,2373 5725,2373 4850,2623 5100,2623 5600,2623 5850,2623 4975,2873 5225,2873 5475,2873 5725,2873
BOOT: C25.2 U2.1 | length 2130.6
  Top Layer w10: U2.1 2427.91,3352 2406,3373.91 2406,3780 2430,3804 C25.2
EN_5V: C24.2 R7.2 U1.C | length 3869.2
  Top Layer w16: R7.2 2309.18,3943.54 2434.82,3943.54 C24.2@2434.82,3927.61 ; v1(2342.5,3827.5) 2417.5,3827.5 2434.82,3844.82 C24.2@2434.82,3927.61 ; C24.2@2436.97,3941.76 2435,3939.79 2441,3933.79 C24.2@2434.82,3927.61
  Bottom Layer w16: v1(2342.5,3827.5) 2349,3821 3369,3821 3428,3762 3428,2975 3361,2908 2995,2908 2952.63,2865.63 2952.63,2695.37 2974,2674 3343.63,2674 3353,2664.63 3353,2390.71 U1.C
EN_17V: C31.2 R15.2 U2.3 | length 2767.2
  Top Layer w16: R15.2 1704.8,4026.2 1704.8,3905.97 1719.27,3891.5 1721.5,3891.5 1786.49,3826.51 1796.49,3826.51 v1(1803,3820) ; v1(3011,3139) 3017.51,3145.51 3058.71,3145.51 3085.2,3172 3111,3172 3111,3174.5 3188.5,3252 U2.3
  Bottom Layer w16: v1(1803,3820) 1803,3712 2009,3506 2368,3506 2403,3471 2403,3371.37 2412.37,3362 3236,3362 3253,3345 3253,3118.37 3243.63,3109 3050.2,3109 3020.2,3139 v1(3011,3139)
FB: C28.1 R11.1 R13.2 U2.5 | length 370.1
  Top Layer w15: U2.5 3423,3201 3498,3201 3517,3220 R11.1 3551.93,3103.47 R13.2 3552.4,2994.1 C28.1
FT: R8.1 R9.2 U1.D | length 524.5
  Top Layer w30: R9.2 2848.6,2034.21 2893.47,1989.34 2893.47,1986.36 2896.45,1986.36 2902.12,1980.69 R8.1 ; R9.2@2863.13,2145 3135.66,2145 3173.22,2107.44 U1.D
GND: C1.1 C2.1 C3.1 C4.1 C5.1 C6.1 C7.1 C8.1 C9.2 C10.1 C11.1 C12.1 C13.1 C14.1 C15.1 C16.1 C17.1 C18.1 C19.1 C20.1 C21.1 C22.1 C23.1 C24.1 C26.2 C27.2 C29.2 C30.1 C31.1 D1.1 D3.2 D4.2 D5.2 D6.1 D7.2 J1.1 J2.2 J3.2 J4.2 J5.2 J6.2 J7.2 J8.2 J9.2 R2.1 R8.2 R12.1 R13.1 SW1.1 SW2.1 TP2.1 TP4.1 TP7.1 U1.B' U1.D' U1.E U2.7 U2.9 | length 3419.1
  Top Layer w16: v1@1104.6,3933.6 v1(1107,3936) ; U2.9@3329,3276 3354,3301 U2.7@3430,3301 ; U2.7@3426,3299 U2.7@3451,3299 ; D7.2 6072,3973 v1(6080,3973)
  Top Layer w20: C31.1 1633.05,3914.14 v2(1633.05,3813.05) ; D3.2 2100.66,3580.28 2137.38,3617 v2(2139,3617) ; C24.1 2441.89,4014.2 2496.69,4069 v2(2523,4069) ; R13.1 v2(3716,3103) ; C30.1 3641,3463.46 3642,3464.46 v1(3642,3465) ; D4.2 6071,3619.34 v1(6071,3617) ; C2.1 6809.4,2998.24 J3.2 ; C8.1 6827.61,401.03 J9.2 ; C7.1 6601,919.12 6822.61,919.12 J8.2 ; C6.1 6827.61,1447.2 J7.2 ; C5.1 6827.61,1970.28 J6.2 ; C3.1 6827.61,2493.36 J4.2 ; C1.1 6827.61,3539.53 J2.2 ; C4.1 6827.61,4062.61 J5.2
  Top Layer w30: R2.1 v1@1104.6,3933.6
  Top Layer w70: J1.1 J1.1@256.56,3860.43
  other v1: 3012,2960 3220,2960 3012,3050 3220,3050 2540,3573 2651.8,3573 2763.6,3573 2875.4,3573 2987.2,3573 3099,3573
  other v2: 475,423 825,423 1175,423 1525,423 1875,423 2225,423 2575,423 2925,423 4675,423 5025,423 5375,423 5725,423 6075,423 300,773 650,773 1000,773 1350,773 1700,773 2050,773 2400,773 2750,773 3100,773 4850,773 5200,773 5550,773 5900,773 6250,773 825,1123 1175,1123 1525,1123 1875,1123 2225,1123 2575,1123 2925,1123 3275,1123 4675,1123 5025,1123 5375,1123 6075,1123 2750,1473 3100,1473 4850,1473 5200,1473 5550,1473 5900,1473 6250,1473 3463.5,1679 3662,1679 3860.5,1679 4059,1679 4257.5,1683 2925,1823 3592.25,1914.5 3790.75,1914.5 3989.25,1914.5 4187.75,1914.5 3513.5,2209 3712,2209 3910.5,2209 4109,2209 4307.5,2213 3592.25,2503.5 3790.75,2503.5 3989.25,2503.5 4187.75,2503.5 3498,2798 3696.5,2798 3895,2798 4093.5,2798 4292,2798
  other v3: 3295.41,3233.69 3346.59,3233.69 3295.41,3277 3346.59,3277 3295.41,3320.31 3346.59,3320.31
NetD2_1: D2.1 Q1.1 R2.2 | length 367.8
  Top Layer w30: Q1.1 822.58,3858.4 R2.2 1007.72,3857.68 D2.1
NetD2_2: D2.2 F1.1 Q1.3 | length 3.7
  Top Layer w25: Q1.3 Q1.3@896.12,3629.6
NetD3_1: D3.1 R1.1 | length 101.9
  Top Layer w16: R1.1@2169.08,3441 2183.34,3455.26 D3.1
NetD4_1: D4.1 R6.1 | length 100.8
  Top Layer w16: R6.1 D4.1
NetD5_1: D5.1 R9.1 | length 191.1
  Top Layer w30: D5.1 2728.26,2099.86 2758.87,2130.47 2767.73,2130.47 2773.4,2136.14 R9.1
NetD7_1: D7.1 R10.1 | length 74.7
  Top Layer w16: 5840,3897 5913.32,3897 D7.1
NetR7_1: R7.1 SW1.2 | length 277.3
  Top Layer w16: SW1.2 2069,3971.96 2115.6,4018.56 R7.1
NetR14_1: R14.1 SW2.3 | length 553.5
  Top Layer w40: SW2.3 1550.68,3786.92 1807.47,3530.13 1807.47,3521.27 1808.14,3520.6 R14.1
NetR15_1: R15.1 SW2.2 | length 275.6
  Top Layer w16: SW2.2 1435.04,4028 R15.1
RT/SYNC: R12.2 U2.4 | length 177.5
  Top Layer w16: R12.2 3199.6,3129.6 3220,3150 3220,3199 U2.4@3237,3199
SS: C30.2 U2.6 | length 246.5
  Top Layer w16: U2.6 3479,3252 3545.5,3318.5 C30.2
SW: C25.1 D6.2 L3.1 U2.8 | length 307
  Top Layer w20: C25.1@3359.5,3821.03 C25.1@3368.51,3812.02 ; C25.1 3438.5,3804 3476.5,3766 L3.1@3639,3766
VBAT: D1.2 J1.2 Q1.2 | length 8.3
  Top Layer w60: J1.2 J1.2@259.27,3663.57
VBAT_FUSED: C29.1 F1.2 L1.1 R1.2 R4.1 R14.2 TP1.1 U2.2
  other v2: 300,2873 650,2873 1000,2873 1350,2873 1700,2873 2050,2873 2400,2873 2750,2873 1175,3223 1525,3223 1875,3223 2575,3223 2925,3223
pads on no net: D2.3 MH1.0 MH2.0 MH3.0 MH4.0 SW1.3 U1.B

## Polygon pours and split planes (outlines as drawn)
GND on Top Layer "Top Layer-GND 1" (solid, pour order 55): 3368.24,3814 3368.24,2908 2966,2908 2966,3086 3287,3086 3287,3143 3288,3143 3288,3358 2415,3358 2415,3814
17V on Top Layer "Top Layer-+17V" (solid, pour order 68): 3409.94,3803 3409.94,3903 3931,3903 3931,3803 3931.07,3339 3587,3339 3587,2905 4023.07,2905 4023.07,3803 7157.07,3803 7157.07,4378.86 2412.07,4372.98 2412.07,3803 3386,3803
+OUT on Top Layer "Top Layer-+OUT" (solid, pour order 38): 4488,2047 5996,2047 5996,3003 4488,3003
GND on Top Layer "Top Layer-GND" (solid, pour order 84): 3026,-38.21 4427,-38.21 4427,0 6442,0 6442,1738 4989,1738 4989,2022.15 4488,2022.15 4488,2874.67 2936,2872.25 2936,2619.79 3026,2619.79 3026,2007 2829,2007 2651,2007 2651,1611 0,1611 0,0 3026,0
SW on Top Layer "SW" (solid, pour order 79): 3576,3613.01 3696.01,3613.01 3915,3613.01 3915,3856.08 3453,3856.08 3453,3766 3370,3766 3370,3639.23 3370,3319 3576,3319
VBAT on Top Layer "VBAT_L01_P080" (solid, pour order 80): 574.09,3570.91 735.07,3570.91 735.07,3683.12 577.39,3683.12 326.21,3683.12 262.33,3747 181,3747 181,3570.98
GND on Top Layer "GND_L01_P081" (solid, pour order 81): 563.08,3728.77 337.96,3728.77 277.72,3789 181,3789 181,3949 295,3949 429.39,3814.61 563.08,3814.61
5V on Top Layer "Top Layer-+5V" (solid, pour order 74): 7157,3802 4051,3802 4051,3034 5996,3034 5996,2022 5020,2022 5020,1768 6473,1768 6473,0 7157,0
+IN on Top Layer "+IN" (solid, pour order 30): 0,2658 0,1628 2613.75,1628 2615.47,2151 3086,2151 3086,2389 3339,2389 3339,2658
NetD2_2 on Top Layer "NETD2_2_L01_P039" (solid, remove dead copper, pour order 39): 974,3699 974,3669 1037,3669 1037,3328 909,3200 20,3200 20,3488 819,3488 837,3506 837,3699
VBAT_FUSED on Top Layer "Top Layer-VBAT_FUSED" (solid, pour order 60): 3253,3115 3253,3357 2401,3357 2401,3488 0,3488 0,2675 2385,2675 2935,2675 2935,3115
GND on Int2 (PWR) "Int2 (PWR)-GND" (solid, pour order 85): 3027.33,-38.71 4428.33,-38.71 4428.33,-0.5 6443.33,-0.5 6443.33,1737.5 4990.33,1737.5 4990.33,2021.64 4489.33,2021.64 4489.33,2874.17 2937.33,2871.75 2937.33,2619.29 3027.33,2619.29 3027.33,2006.5 2830.33,2006.5 2652.33,2006.5 2652.33,1610.5 1.33,1610.5 1.33,-0.5 3027.33,-0.5
GND on Int2 (PWR) "Top Layer-GND 1" (solid, pour order 58): 3405,3814 3405,3376 3405,2926 2966,2926 2966,3086 3287,3086 3287,3143 3288,3143 3288,3376 2415,3376 2415,3814
+IN on Int2 (PWR) "+IN" (solid, pour order 44): 0,2658 0,1628 2613.75,1628 2615.47,2151 3086,2151 3086,2389 3339,2389 3339,2658
17V on Int2 (PWR) "Top Layer-+17V" (solid, pour order 70): 3931,3803 3931,3338 3587,3338 3587,2927 4023,2927 4023,3803 7157,3803 7157,4377.86 2412,4371.98 2412,3803
5V on Int2 (PWR) "Top Layer-5V" (solid, pour order 62): 7157,3785 4051,3785 4051,3034 6014,3034 6014,2007 5020,2007 5020,1768 6473,1768 6473,0 7157,0
VBAT_FUSED on Int2 (PWR) "Top Layer-VBAT_FUSED" (solid, pour order 51): 3253,3116 3253,3345 2385,3345 2385,3489 0,3489 0,2676 2385,2676 2935,2676 2935,3116
+OUT on Int2 (PWR) "Top Layer-+OUT" (solid, pour order 67): 4488,2039 5984,2039 5984,3003 4488,3003
GND on Bottom Layer "Bottom Layer-GND" (solid, pour order 86): 3027.33,-38.71 4428.33,-38.71 4428.33,-0.5 6443.33,-0.5 6443.33,1737.5 4990.33,1737.5 4990.33,2021.64 4489.33,2021.64 4489.33,2874.17 2937.33,2871.75 2937.33,2619.29 3027.33,2619.29 3027.33,2006.5 2830.33,2006.5 2652.33,2006.5 2652.33,1610.5 1.33,1610.5 1.33,-0.5 3027.33,-0.5
GND on Bottom Layer "Top Layer-GND 1" (solid, pour order 57): 3405,3814 3405,3376 3405,2926 2966,2926 2966,3086 3287,3086 3287,3376 2415,3376 2415,3814
17V on Bottom Layer "Top Layer-+17V" (solid, pour order 59): 3931.07,3803 3931.07,3339 3587,3339 3587,2926 4023.07,2926 4023.07,3803 7157.07,3803 7157.07,4381.87 2412.07,4375.99 2412.07,3803
5V on Bottom Layer "Top Layer-+5V" (solid, pour order 65): 7157,3803 4051,3803 4051,3034 6014,3034 6014,2007 5020,2007 5020,1768 6473,1768 6473,0 7157,0
VBAT_FUSED on Bottom Layer "Top Layer-VBAT_FUSED" (solid, pour order 42): 3253,3116 3253,3345 2385,3345 2385,3489 0,3489 0,2676 2385,2676 2935,2676 2935,3116
+IN on Bottom Layer "+IN" (solid, pour order 45): 0,2658 0,1703 2614.36,1703 2614.36,2151 3086,2151 3086,2389 3339,2389 3339,2658
+OUT on Bottom Layer "Top Layer-+OUT" (solid, pour order 64): 4488,2039 5984,2039 5984,3003 4488,3003
GND on Int1 (GND) "GND_L02_P043" (solid, pour order 43): 7157,0 0,0 0,4373 7157,4373

## Silkscreen, mask and mechanical layers (free items; w line width, h text height)
Top Overlay:
  drawing of 18 lines, arcs and shapes, not listed
  text "ON" at 1623,4216.32 h110
  text "ON" at 2268,4216.32 h110
  text "GND" at 6571,4161.78 h70
  text "17V" at 5418,4066 h80
  text "GND" at 195,3981.78 h70
  text "17V" at 5902.77,3960 h80
  text "17V" at 6586,3814 h70
  text "OFF" at 1631,3681.28 h110
  text "OFF" at 2254,3681.28 h110
  text "GND" at 6571,3639.78 h70
  text "Jetson" at 1240,3593 h100
  text "5V" at 5911,3589 h80
  text "5V" at 1936,3502 h100
  text "24V" at 189.94,3489 h70
  text "GND" at 2422,3318 h80
  text "+IN" at 770,3313 h80
  text "5V" at 6601,3292.78 h70
  text "GND" at 6571,3113.78 h70
  text "VBAT" at 2088,3079 h100
  text "+OUT" at 4447,2852 h80
  text "5V" at 6601,2767.78 h70
  text "GND" at 6571,2596.78 h70
  text "5V" at 6601,2248.78 h70
  text "5V" at 6317,2206 h80
  text "GND" at 6571.38,2071.7 h70
  text "+IN" at 91,1961 h80
  text "5V" at 6633.57,1726.4 h70
  text "GND" at 6571.38,1549.13 h70
  text "5V" at 6600.89,1198.25 h70
  text "GND" at 6571.38,1030.25 h70
  text "GND" at 5647.98,980.78 h80
  text "GND" at 418,979 h80
  text "5V" at 6600.89,677.55 h70
  text "GND" at 6571.38,505.83 h70
  text "5V" at 6600.89,160.53 h70
  text "POWER DISTRIBUTION BOARD / REV 1 / JUNE 2020 / ADRIANNA ASCALON" at 3455,71 h80
Bottom Overlay:
  drawing of 16 lines, arcs and shapes, not listed
  text "GND" at 6705,4101.78 h70
  text "17V" at 6687,3909 h70
  text "GND" at 505,3838.78 h70
  text "24V" at 505.06,3644 h70
  text "GND" at 6705,3578.21 h70
  text "5V" at 6656.36,3384.21 h70
  text "GND" at 6705,3054.63 h70
  text "5V" at 6656.36,2858.63 h70
  text "GND" at 6705,2531.06 h70
  text "5V" at 6656.36,2333.06 h70
  text "GND" at 6705,2007.49 h70
  text "5V" at 6656.36,1807.49 h70
  text "GND" at 6705,1483.92 h70
  text "5V" at 6656.36,1281.92 h70
  text "GND" at 6705,960.35 h70
  text "5V" at 6656.36,756.35 h70
  text "GND" at 6705,436.78 h70
  text "5V" at 6656.36,230.78 h70
  text "POWER DISTRIBUTION BOARD / REV 1 / JUNE 2020 / ADRIANNA ASCALON" at 4325,71 h80
Mechanical 1:
  lines w10: 0,86.16 0,96 0,4279 cw(c86.16,4279) 86.16,4365.16 7061,4365.16 ; 0.17,86.16 ccw(c86.33,86.16) 86.33,0 7066.46,0 ; 7060.81,-0.19 ccw(c7060.81,96) 7157,96 7157,4269 ; 7061,4365 cw(c7061,4268.81) 7157.19,4269